# Altium PCB PCB1.PcbDoc
Units mm, origin at the board's own origin, x right, y up, seen from the top; angles counter-clockwise.
Board outline 55 x 36 mm, 2 copper layers (Top Layer, Bottom Layer), stack 1.58 mm thick; 58 components, 45 nets, 190 pads, 29 vias.
Unrouted connection lines stored in the file: 2.
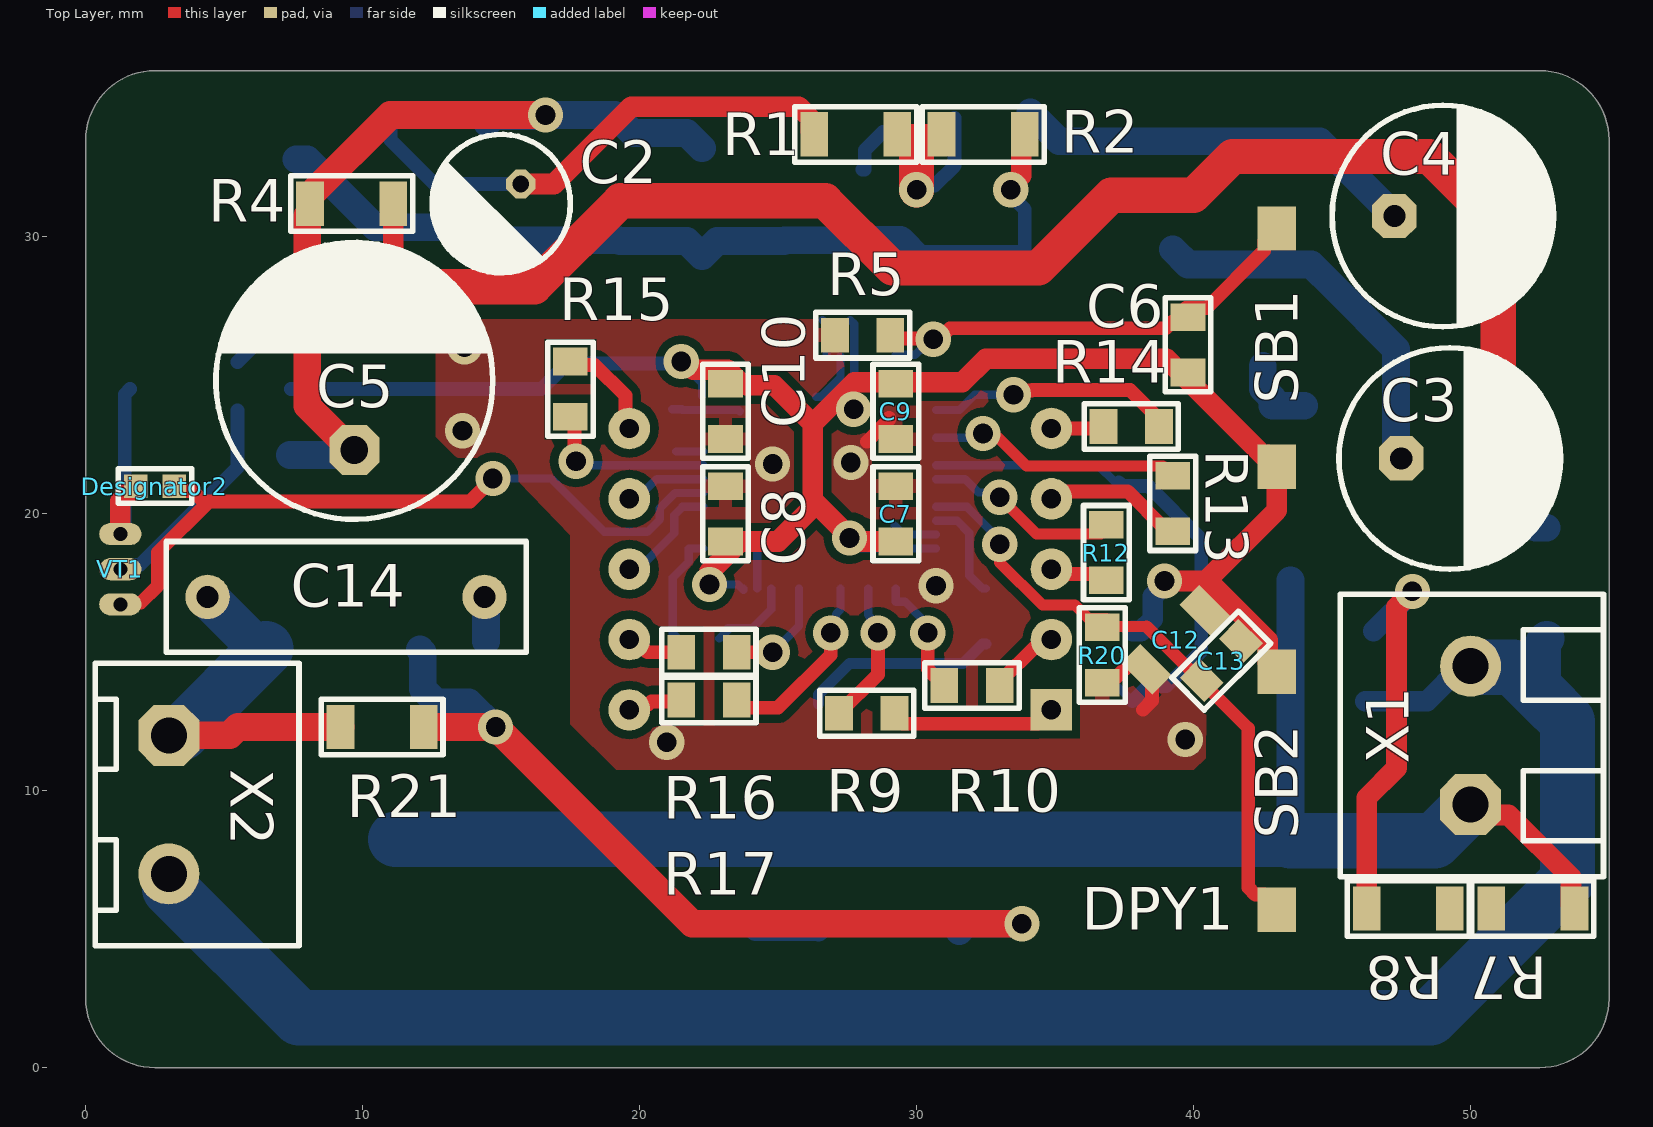
[diagram p0: Top Layer view]
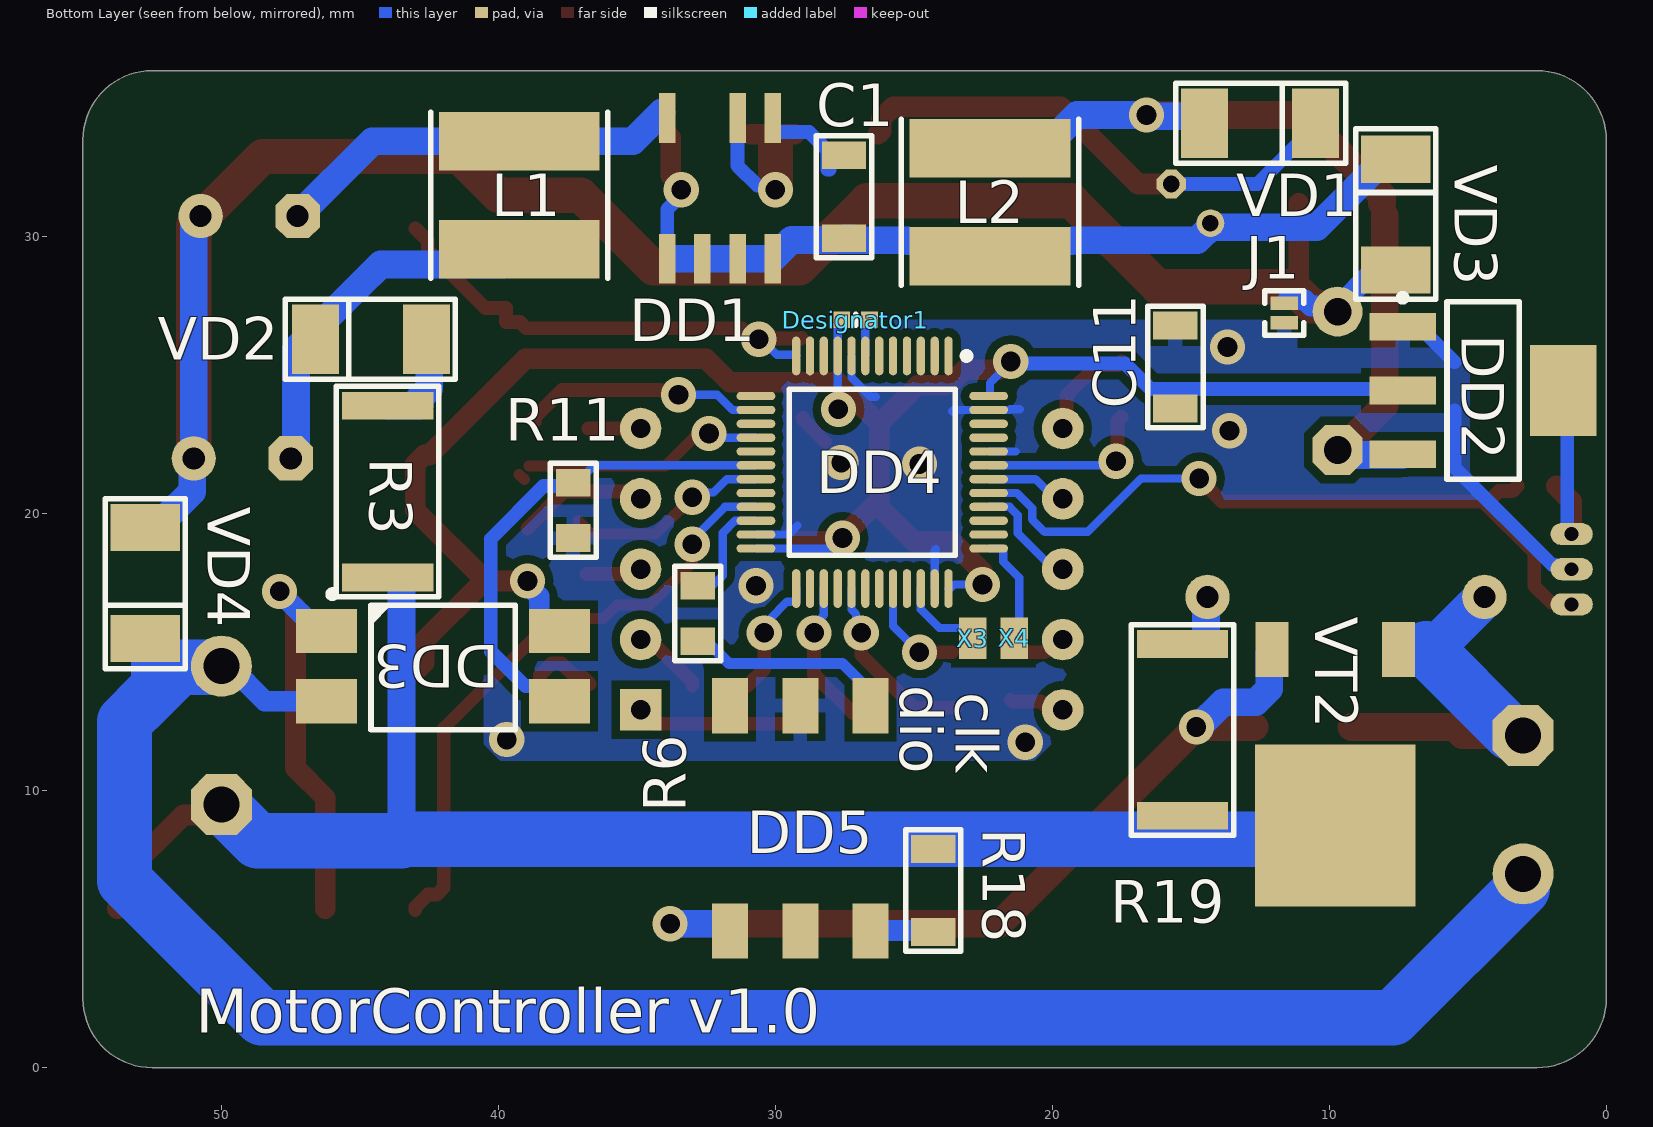
[diagram p1: Bottom Layer view, seen from below]
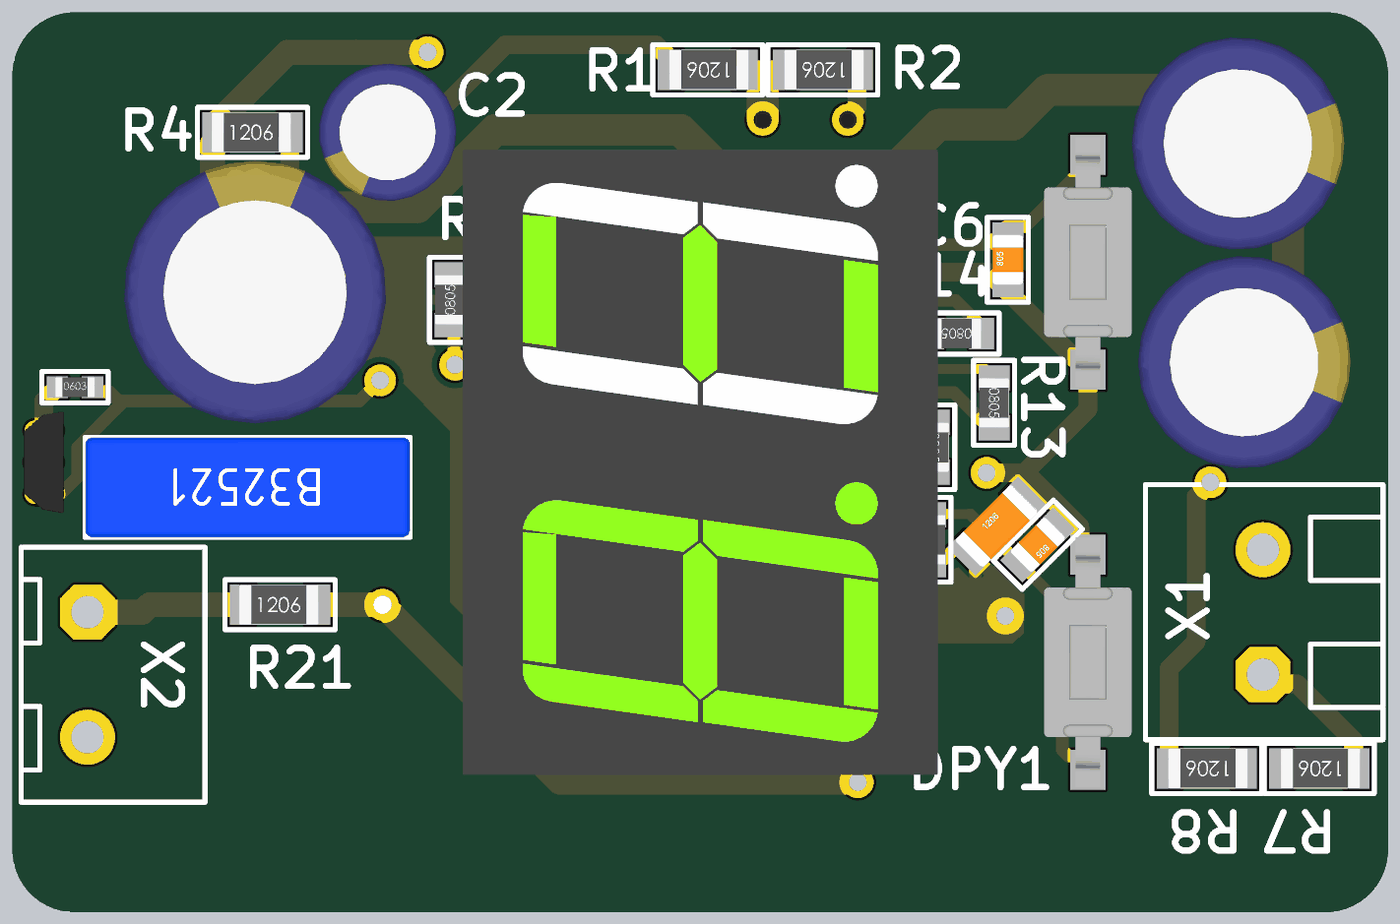
[diagram p2: 3D render of the assembled board from above, using the file's embedded part models]
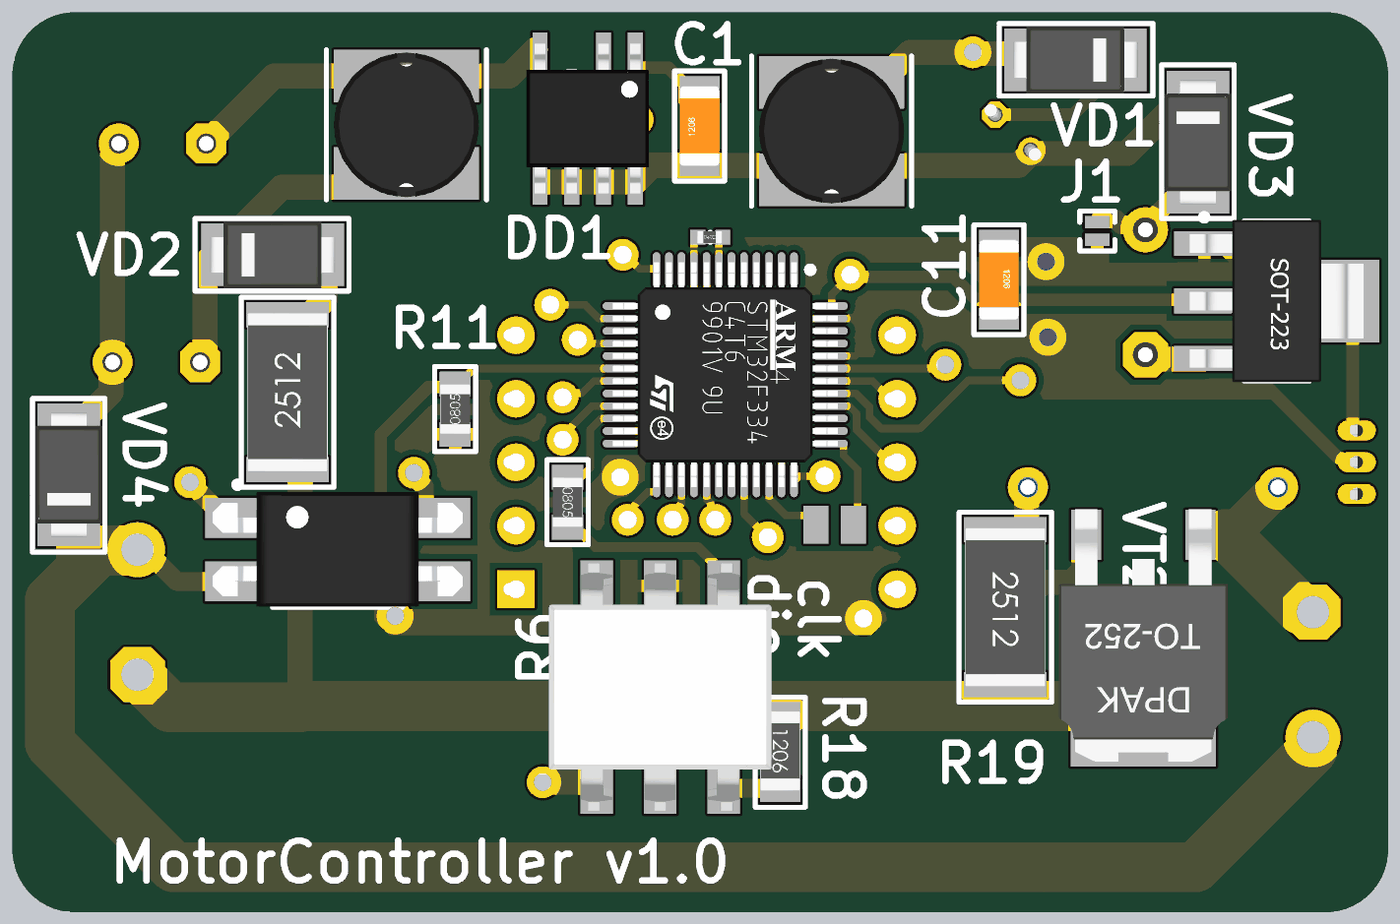
[diagram p3: 3D render of the assembled board from below, using the file's embedded part models]

## Layer stack, top to bottom
Top Solder: solder mask 0.0102, Solder Resist, Dk 3.5
Top Layer: signal copper 0.0356
Dielectric 1: dielectric 1.509, FR-4, Dk 4.8
Bottom Layer: signal copper 0.0356
Bottom Solder: solder mask 0.0102, Solder Resist, Dk 3.5

## Board outline
0,2.5 0,33.5 cw(c2.5,33.5) 2.5,36 52.5,36 cw(c52.5,33.5) 55,33.5 55,2.5 cw(c52.5,2.5) 52.5,0 2.5,0 cw(c2.5,2.5)

## Design rules (kind name [scope] priority, off if disabled: settings)
Clearance [All] p1: gap=0.2 ignorepadtopadclearanceinfootprint=FALSE except(0.3: Arc-Poly Arc-Region Track-Poly Track-Region SMDPad-Poly SMDPad-Region THPad-Poly THPad-Region Via-Poly Via-Region Fill-Poly Fill-Region Poly-Poly Poly-Region Region-Region)
PolygonConnect [All] p1: thpad.connectstyle=Relief thpad.reliefconductorwidth=0.5 thpad.reliefentries=4 thpad.polygonreliefangle="90 Angle" thpad.airgapwidth=0.254 smdpad.connectstyle=Relief smdpad.reliefconductorwidth=0.5 smdpad.reliefentries=4 smdpad.polygonreliefangle="90 Angle" smdpad.airgapwidth=0.254 via.connectstyle=Direct via.reliefconductorwidth=0.254 via.reliefentries=4 via.polygonreliefangle="90 Angle" via.airgapwidth=0.254
RoutingVias [All] p1: holewidth=0.711 width=1.27 viastyle="Through Hole" minholewidth=0.711 minwidth=1.27 maxholewidth=0.711 maxwidth=1.27
SolderMaskExpansion [All] p1: expansion=0.102 istentingtop=FALSE
UnRoutedNet [All] p1: checkbadconnections=TRUE
Width [All] p1: maxlimit=2 minlimit=0.1 preferedwidth=0.254
29 further rules are at their usual default settings.

## Classes and differential pairs
component class Sheet1: C1 C2 C3 C4 C6 C8 C10 C12 C14 DD1 DD2 DD4 DD5 DD6 DD7 J1 L1 L2 R1 R2 R4 R5 R8 R10 R13 R14 R15 R16 R22 R23 SB1 SB2 VD2 VD3 VD4 X1 X3 X4

## Components (designator, comment, footprint, x,y, rotation, side; value= is the part's Value field where it differs from the comment)
C1 "Ceramic capacitor, 100nF, X7R, ±10%, 50V, 1206, -55...+125°C" "CAP: 1206" 27.525,31.45 r90 bottom value=100nF (schematic designator C5)
C2 "Aluminium capacitor, 10μF, 25V, ±20%, 54mOhm, 14x10x5 mm, -55...+105°C" "CAP: D5C2H11" 15,31.2 r225 top value=10μF (schematic designator C7)
C3 "Aluminium capacitor, 4.7μF, 400V, ±20%, 54mOhm, 14x10x5 mm, -55...+105°C" "CAP: D8C3.5H12" 49.25,22 r0 top value=4.7μF (schematic designator C1)
C4 "Aluminium capacitor, 4.7μF, 400V, ±20%, 54mOhm, 14x10x5 mm, -55...+105°C" "CAP: D8C3.5H12" 49,30.75 r0 top value=4.7μF
C5 "Aluminium capacitor, 330μF, 25V, ±20%, 54mOhm, 14x10x5 mm, -55...+105°C" "CAP: D10C5H12.5" 9.7,24.8 r90 top value=330μF (schematic designator C9)
C6 "Ceramic capacitor, 0.1μF, X7R, ±10%, 16V, 805, -55...+125°C" "CAP: 0805" 39.8,26.1 r90 top value=0.1μF (schematic designator C2)
C7 "Ceramic capacitor, 0.1μF, X7R, ±10%, 16V, 805, -55...+125°C" "CAP: 0805" 29.25,20 r270 top value=0.1μF (schematic designator C6)
C8 "Ceramic capacitor, 0.1μF, X7R, ±10%, 16V, 805, -55...+125°C" "CAP: 0805" 23.1,20 r270 top value=0.1μF
C9 "Ceramic capacitor, 0.1μF, X7R, ±10%, 16V, 805, -55...+125°C" "CAP: 0805" 29.25,23.7 r90 top value=0.1μF (schematic designator C10)
C10 "Ceramic capacitor, 0.1μF, X7R, ±10%, 16V, 805, -55...+125°C" "CAP: 0805" 23.1,23.7 r90 top value=0.1μF (schematic designator C11)
C11 "Ceramic capacitor, 1μF, X7R, ±10%, 50V, 1206, -55...+125°C" "CAP: 1206" 15.557,25.3 r270 bottom value=1μF (schematic designator C12)
C12 "Ceramic capacitor, 1μF, X7R, ±10%, 50V, 1206, -55...+125°C" "CAP: 1206" 39.35,15.45 r45 top value=0.1μF (schematic designator C13)
C13 "Ceramic capacitor, 0.1μF, X7R, ±10%, 16V, 805, -55...+125°C" "CAP: 0805" 41,14.7 r225 top value=0.1μF (schematic designator C3)
C14 "Film capacitor, 0.1μF, 450VDC, ±10%, 10.9mOhm, 31.5x15 mm, -40...+105°C" "CAP: B32521" 9.4,17 r180 top value=0.1μF
DD1 "LNK306" SO-8C 32,31.75 r0 bottom (schematic designator DD3)
DD2 "Linear voltage regulator, input 3.9...18V, 0.6V, output 3.3V, 1.2A, -40...+85°C, SOT223" SOT223 4.45,24.45 r180 bottom (schematic designator DD5)
DD3 "IC optoisolator, 4µs/3µs, 5000Vrms, 35V, -40...+125°C, 4-SMD" 4-SMD 42,14.5 r180 bottom (schematic designator DD1)
DD4 "IC microcontroller, 32-Bit, Cortex-M3, 72MHz, 64KB, 20KB, 2...3.6V, -40...+85°C, 48-LQFP" 48-LQFP 26.5,21.5 r270 bottom
DD5 "MOC3021_2" SDIP-6 29.1,9 r0 bottom (schematic designator DD6)
Designator1 "Comment" "RES: 0402" 27.1,27 r180 bottom
Designator2 "Comment" "RES: 0603" 2.5,21 r0 top
DPY1 "7-segment 2 digit display" "0.56\"" 27.5,18 r90 top locked (schematic designator DD7)
J1 "=Valuemanufacturerpartnumber" "CON: JUMPER x1" 11.625,27.6 r270 bottom
L1 "Fixed inductor, 680μH, ±20%, 2R, 300mA, SDR0604, 1.8A, -40...+125°C" "IND: SDR0604" 39.25,31.5 r270 bottom value=1000μH
L2 "Fixed inductor, 470μH, ±20%, 2R, 300mA, SDR0604, 1.8A, -40...+125°C" "IND: SDR0604" 22.25,31.25 r270 bottom value=470μH
R1 "Resistor film, 3.84k, ±5%, 1206, 0.25W, -55...+125°C" "RES: 1206" 27.8,33.7 r180 top value=4.7k (schematic designator R9)
R2 "Resistor film, 2k, ±5%, 1206, 0.25W, -55...+125°C" "RES: 1206" 32.4,33.7 r180 top value=2k (schematic designator R8)
R3 "Resistor film, 8.2R, ±5% 2W, 2512, 1W, -55...+125°C" "RES: 2512" 44,20.8 r90 bottom value=6 (schematic designator R1)
R4 "Resistor film, 1.5k, ±5%, 1206, 0.25W, -55...+125°C" "RES: 1206" 9.6,31.2 r0 top value=1.5k (schematic designator R11)
R5 "Resistor film, 2k, ±5%, 805, 0.125W, -55...+125°C" "RES: 0805" 28.05,26.45 r180 top value=2k
R6 "Resistor film, 1k, ±5%, 805, 0.125W, -55...+125°C" "RES: 0805" 32.8,16.4 r270 bottom value=470 (schematic designator R12)
R7 "Resistor film, 5k, ±5%, 1206, 0.25W, -55...+125°C" "RES: 1206" 52.25,5.75 r180 top value=33k (schematic designator R2)
R8 "Resistor film, 5k, ±5%, 1206, 0.25W, -55...+125°C" "RES: 1206" 47.75,5.75 r180 top value=33k (schematic designator R3)
R9 "Resistor film, 2k, ±5%, 805, 0.125W, -55...+125°C" "RES: 0805" 28.2,12.8 r0 top value=2k
R10 "Resistor film, 2k, ±5%, 805, 0.125W, -55...+125°C" "RES: 0805" 32,13.8 r0 top value=10k
R11 "Resistor film, 2k, ±5%, 805, 0.125W, -55...+125°C" "RES: 0805" 37.3,20.125 r90 bottom value=2k (schematic designator R4)
R12 "Resistor film, 2k, ±5%, 805, 0.125W, -55...+125°C" "RES: 0805" 36.85,18.6 r270 top value=2k
R13 "Resistor film, 2k, ±5%, 805, 0.125W, -55...+125°C" "RES: 0805" 39.25,20.375 r270 top value=470
R14 "Resistor film, 2k, ±5%, 805, 0.125W, -55...+125°C" "RES: 0805" 37.75,23.15 r180 top value=470
R15 "Resistor film, 2k, ±5%, 805, 0.125W, -55...+125°C" "RES: 0805" 17.5,24.5 r90 top value=470
R16 "Resistor film, 2k, ±5%, 805, 0.125W, -55...+125°C" "RES: 0805" 22.5,15 r180 top value=470
R17 "Resistor film, 2k, ±5%, 805, 0.125W, -55...+125°C" "RES: 0805" 22.5,13.275 r180 top value=470 (schematic designator R20)
R18 "Resistor film, 680R, ±5%, 1206, 0.25W, -55...+125°C" "RES: 1206" 24.3,6.4 r270 bottom value=680 (schematic designator R21)
R19 "Resistor film, 62, ±5%, 2512, 1W, -55...+125°C" "RES: 2512" 15.3,12.2 r270 bottom value=39 (schematic designator R23)
R20 "Resistor film, 2k, ±5%, 805, 0.125W, -55...+125°C" "RES: 0805" 36.7,14.9 r90 top value=2k (schematic designator R6)
R21 "Resistor film, 1k, ±5%, 1206, 0.25W, -55...+125°C" "RES: 1206" 10.7,12.3 r0 top value=470 (schematic designator R22)
SB1 "Tactile button, 6x6mm" "Button_smd 6x4" 43,26 r270 top locked
SB2 "Tactile button, 6x6mm" "Button_smd 6x4" 43,10 r90 top locked
VD1 "Single diode, 75V, 150mA, 1V, 4ns, SOD-323, -55...+150°C" "DIODE: SMA" 12.5,34.1 r180 bottom (schematic designator VD4)
VD2 "Single diode, 75V, 150mA, 1V, 4ns, SOD-323, -55...+150°C" "DIODE: SMA" 44.6,26.3 r0 bottom (schematic designator VD1)
VD3 "Schottky diode, 80V, 500mA, 1V, 15pF, SOD-123, -55...+150°C" "DIODE: SMA" 7.6,30.8 r90 bottom
VD4 "Single diode, 75V, 150mA, 1V, 4ns, SOD-323, -55...+150°C" "DIODE: SMA" 52.75,17.5 r270 bottom (schematic designator VD2)
VT1 "A3144 Hall" hall 1.25,18 r270 top (schematic designator DD2)
VT2 "BTA136" TO-252 9.786,9.004 r0 bottom (schematic designator VT1)
X1 "Terminal connector, 2pin, 3.5mm, 300VAC, 10A" "CON: 0395430002 (5 mm)" 50,12 r90 top
X2 "Terminal connector, 2pin, 3.5mm, 300VAC, 10A" "CON: 0395430002 (5 mm)" 3,9.5 r270 top (schematic designator X4)
X3 "ST-link SWDio" 1-PIN#1 22.875,15.5 r270 bottom (schematic designator X2)
X4 "ST-link clk" 1-PIN#2 21.375,15.5 r180 bottom (schematic designator X3)

## Footprints (in the part's own frame and the unit in brackets; to place one, negate y for a bottom-side part, rotate by r counter-clockwise, add the part's x,y. Pads: shape width x height; smd on the part's side, far side on the other; paste and mask are expansions set on the pad)
"0.56\"" [mm] "0.56-inch (14.20 mm) 7-segment 2 digit indicator"
  rect 1.5x1.5 hole 0.7: 1(-5.08,-7.366)
  round 1.5 hole 0.7: 2(-2.54,-7.366) 3(0,-7.366) 4(2.54,-7.366) 5(5.08,-7.366) 6(5.08,7.874) 7(2.54,7.874) 8(0,7.874) 9(-2.54,7.874) 10(-5.08,7.874)
  body extent -12.5,-9.5 12.5,9.5, height 14
1-PIN#1 [mm] "Test-pin"
  rect 1.5x1 smd: 1(0,0)
1-PIN#2 [mm] "Test-pin"
  rect 1x1.5 smd: 1(0,0)
4-SMD [mm] "SOIC, 4-Leads, Body 4,60x6,50mm, Pitch 1,27mm, IPC Medium Density"
  rect 2.2x1.6 smd: 1(-4.2,1.27) 2(-4.2,-1.27) 3(4.2,-1.27) 4(4.2,1.27)
  round 0.5 on Mech2: ""(-2.1,1.7)
  silkscreen extent -4.13,-2.3 2.6,2.72, body extent -5,-2.28 5,2.3, height 3.75
48-LQFP [mm] "QFP, 48-Leads, Body 7x7mm, Pitch 0.5mm, IPC Medium Density"
  oval 1.4x0.3 smd: 1(-4.2,2.75) 2(-4.2,2.25) 3(-4.2,1.75) 4(-4.2,1.25) 5(-4.2,0.75) 6(-4.2,0.25) 7(-4.2,-0.25) 8(-4.2,-0.75) 9(-4.2,-1.25) 10(-4.2,-1.75) 11(-4.2,-2.25) 12(-4.2,-2.75) 25(4.2,-2.75) 26(4.2,-2.25) 27(4.2,-1.75) 28(4.2,-1.25) 29(4.2,-0.75) 30(4.2,-0.25) 31(4.2,0.25) 32(4.2,0.75) 33(4.2,1.25) 34(4.2,1.75) 35(4.2,2.25) 36(4.2,2.75)
  oval 0.3x1.4 smd: 13(-2.75,-4.2) 14(-2.25,-4.2) 15(-1.75,-4.2) 16(-1.25,-4.2) 17(-0.75,-4.2) 18(-0.25,-4.2) 19(0.25,-4.2) 20(0.75,-4.2) 21(1.25,-4.2) 22(1.75,-4.2) 23(2.25,-4.2) 24(2.75,-4.2) 37(2.75,4.2) 38(2.25,4.2) 39(1.75,4.2) 40(1.25,4.2) 41(0.75,4.2) 42(0.25,4.2) 43(-0.25,4.2) 44(-0.75,4.2) 45(-1.25,4.2) 46(-1.75,4.2) 47(-2.25,4.2) 48(-2.75,4.2)
  round 0.5 on Mech2: ""(-4,4)
  silkscreen extent -4.32,-3 3,3.52, body extent -4.5,-4.5 4.5,4.5, height 1.6
"Button_smd 6x4" [mm] "2-pin, 6x4"
  rect 1.6x1.4 smd: 1(-4.3,0) 2(4.3,0)
  body extent -5,-1.75 5,1.75, height 5
"CAP: 0805" [mm]
  rect 1x1.25 smd: 1(-1,0) 2(1,0)
  silkscreen extent -1.7,-0.82 1.7,0.82, body extent -1,-0.62 1,0.63, height 0.78
"CAP: 1206" [mm]
  rect 1x1.6 smd: 1(-1.5,0) 2(1.5,0)
  silkscreen extent -2.2,-1 2.2,1, body extent -1.6,-0.8 1.6,0.8, height 1
"CAP: B32521" [mm]
  round 1.6 hole 0.8: 1(-5,0) 2(5,0)
  silkscreen extent -6.5,-2 6.5,2, body extent -6.5,-2 6.5,2, height 9
"CAP: D5C2H11" [mm]
  oct 1x1 hole 0.6: 1(-1,0)
  round 1 hole 0.6: 2(1,0)
  silkscreen extent -2.5,-2.5 2.5,2.5, body extent -2.75,-2.75 2.75,2.75, height 13.5
"CAP: D8C3.5H12" [mm]
  oct 1.6x1.6 hole 0.8: 1(-1.75,0)
  round 1.6 hole 0.8: 2(1.75,0)
  silkscreen extent -4,-4 4,4, body extent -4.25,-4.25 4.25,4.25, height 13
"CAP: D10C5H12.5" [mm]
  oct 1.8x1.8 hole 1: 1(-2.5,0)
  round 1.8 hole 1: 2(2.5,0)
  silkscreen extent -5,-5 5,5, body extent -5.25,-5.25 5.25,5.25, height 14.05
"CON: 0395430002 (5 mm)" [mm] "2 pin 5.08mm screw connector"
  oct 2.2x2.2 hole 1.3: 1(-2.5,0)
  round 2.2 hole 1.3: 2(2.5,0)
  silkscreen extent -5.1,-4.8 5.1,4.7, body extent -5,-4.8 5,4.6, height 14.63
"CON: JUMPER x1" [mm]
  rect 0.5x1 smd: 1(0,0) 2(0.7,0)
  silkscreen extent -0.45,-0.7 1.15,0.7
"DIODE: SMA" [mm]
  rect 1.7x2.5 smd: 1(-2,0) 2(2,0)
  round 0.5 on Mech2: ""(2,0.9)
  silkscreen extent -3.05,-1.45 3.1,1.45, body extent -2.5,-1.35 2.5,1.35, height 2.28
hall [mm]
  oval 0.8x1.524 hole 0.5: 1(-1.27,0) 2(0,0) 3(1.27,0)
  body extent -2.04,-0.8 2.04,0.8, height 14.1
"IND: SDR0604" [mm]
  rect 2.1x5.8 smd: 1(-1.95,0) 2(1.95,0)
  silkscreen extent -3,-3.2 3,3.2, body extent -2.9,-2.9 2.9,2.9, height 4.8
"RES: 0402" [mm]
  rect 0.6x0.6 smd: 1(-0.5,0) 2(0.5,0)
  silkscreen extent 0,-0.2 0,0.2, body extent -0.52,-0.25 0.48,0.25, height 0.34
"RES: 0603" [mm]
  rect 0.85x0.85 smd: 1(-0.7,0) 2(0.7,0)
  silkscreen extent -1.33,-0.63 1.33,0.63, body extent -0.8,-0.4 0.8,0.4, height 0.44
"RES: 0805" [mm]
  rect 1x1.25 smd: 1(-1,0) 2(1,0)
  silkscreen extent -1.7,-0.82 1.7,0.82, body extent -1,-0.6 1,0.6, height 0.44
"RES: 1206" [mm]
  rect 1x1.6 smd: 1(-1.5,0) 2(1.5,0)
  silkscreen extent -2.2,-1 2.2,1, body extent -1.65,-0.8 1.55,0.8, height 0.47
"RES: 2512" [mm]
  rect 1x3.3 smd: 1(-3.1,0) 2(3.1,0)
  silkscreen extent -3.8,-1.85 3.8,1.85, body extent -3.17,-1.6 3.18,1.6, height 0.52
SDIP-6 [mm] "DIP-6 SMD"
  rect 1.3x2 smd: 1(-2.54,-4.064) 2(0,-4.064) 3(2.54,-4.064) 4(2.54,4.064) 5(0,4.064) 6(-2.54,4.064)
  body extent -4.44,-4.95 4.45,4.95, height 5.93
SO-8C [mm]
  rect 0.6x1.8 smd: 1(-1.905,-2.54) 2(-0.635,-2.54) 4(1.905,-2.54) 5(1.905,2.54) 6(0.635,2.54) 7(-0.635,2.54) 8(-1.905,2.54)
  body extent -2.45,-3 2.45,3, height 1.75
SOT223 [mm] "SOT223, 4-Leads, Body 6,50x7,00mm (avg), Pitch 2,30mm, IPC Medium Density"
  rect 2.4x1 smd: 1(-2.9,2.3) 2(-2.9,0) 3(-2.9,-2.3)
  rect 2.4x3.3 smd: 4(2.9,0)
  round 0.5 on Mech2: ""(-3,2.7)
  silkscreen extent -3.03,-3.2 1.3,3.47, body extent -3.48,-3.25 3.48,3.25, height 1.65
TO-252 [mm]
  rect 1.2x2 smd: 1(-2.286,-6.096) 3(2.286,-6.096)
  rect 5.8x5.85 smd: 2(0,0.254)
  body extent -3.37,-7.11 3.37,2.99, height 2.37

## Part data
C1 C11: library part Ceramic_1206, Manufacturer=Yageo, Package=1206, PartNumber=CC1206KRX7R9BB104, Temperature=-55...+125°C, Tolerance=±10%, TypeCapacitor="Ceramic capacitor", TypeDielectric=X7R, Voltage=50V, HelpURL=https://www.digikey.com/product-detail/en/yageo/CC1206KRX7R9BB104/311-1179-1-ND/303089
  C1: ValueManufacturerPartNumber="Ceramic capacitor, 100nF, X7R, ±10%, 50V, 1206, -55...+125°C"
  C11: ValueManufacturerPartNumber="Ceramic capacitor, 1μF, X7R, ±10%, 50V, 1206, -55...+125°C"
C2 C5: library part Aluminium, Manufacturer=Wurth, Package="14x10x5 mm", PartNumber=860080475013, Temperature=-55...+105°C, Tolerance=±20%, TypeCapacitor="Aluminium capacitor", Voltage=25V, HelpURL=https://www.digikey.com/product-detail/en/wurth-electronics-inc/860080475013/732-9029-1-ND/5728972, Impedance=54mOhm
  C2: ValueManufacturerPartNumber="Aluminium capacitor, 10μF, 25V, ±20%, 54mOhm, 14x10x5 mm, -55...+105°C"
  C5: ValueManufacturerPartNumber="Aluminium capacitor, 330μF, 25V, ±20%, 54mOhm, 14x10x5 mm, -55...+105°C"
C3 C4: library part Aluminium, Manufacturer=Wurth, Package="14x10x5 mm", PartNumber=860080475013, Temperature=-55...+105°C, Tolerance=±20%, TypeCapacitor="Aluminium capacitor", Voltage=400V, HelpURL=https://www.digikey.com/product-detail/en/wurth-electronics-inc/860080475013/732-9029-1-ND/5728972, Impedance=54mOhm, ValueManufacturerPartNumber="Aluminium capacitor, 4.7μF, 400V, ±20%, 54mOhm, 14x10x5 mm, -55...+105°C"
C6 C7 C8 C9 C10 C13: library part Ceramic_0805, Manufacturer=Yageo, Package=0805, PartNumber=CC0805KRX7R7BB104, Temperature=-55...+125°C, Tolerance=±10%, TypeCapacitor="Ceramic capacitor", TypeDielectric=X7R, Voltage=16V, HelpURL=https://www.digikey.com/product-detail/en/yageo/CC0805KRX7R7BB104/311-1142-1-ND/303052, ValueManufacturerPartNumber="Ceramic capacitor, 0.1μF, X7R, ±10%, 16V, 805, -55...+125°C"
C12: library part Ceramic_1206, Manufacturer=Yageo, Package=1206, PartNumber=CC1206KRX7R9BB104, Temperature=-55...+125°C, Tolerance=±10%, TypeCapacitor="Ceramic capacitor", TypeDielectric=X7R, ValueManufacturerPartNumber="Ceramic capacitor, 0.1μF, X7R, ±10%, 50V, 1206, -55...+125°C", Voltage=50V, HelpURL=https://www.digikey.com/product-detail/en/yageo/CC1206KRX7R9BB104/311-1179-1-ND/303089
C14: library part Film, Manufacturer=Epcos, Package="31.5x15 mm", PartNumber=B32774D4106K000, Temperature=-40...+105°C, Tolerance=±10%, TypeCapacitor="Film capacitor", ValueManufacturerPartNumber="Film capacitor, 0.1μF, 400V, ±10%, 10.9mOhm, 31.5x15 mm, -40...+105°C", Voltage=400V, HelpURL=https://www.digikey.com/products/en/capacitors/film-capacitors/62?k=&pkeyword=&sv=0&pv2097=1958&sf=0&FV=fffc01ef%2C1f140000%2Cffe0003e%2Cffec6366&quantity=1&ColumnSort=1000011&page=1&stock=1&pageSize=25, Impedance=10.9mOhm
DD2: library part LDL1117S33R, "Linear voltage regulator", CurrentOutput=1.2A, Manufacturer=STMicroelectronics, Package=SOT223, PartNumber=AMS1117S33R, Temperature=-40...+85°C, VoltageInput="input 3.9...18V", VoltageOutput="output 3.3V", ComponentType="Linear voltage regulator", HelpURL=https://www.digikey.com/product-detail/en/stmicroelectronics/LDL1117S33R/497-17239-1-ND/7102079, MaxDropout=0.6V, ValueManufacturerPartNumber="Linear voltage regulator, input 3.9...18V, 0.6V, output 3.3V, 1.2A, -40...+85°C, SOT223"
DD3: library part LTV-817, "Optoisolator", Manufacturer=Lite-On, Package=4-SMD, PartNumber=LTV-817S, Temperature=-40...+125°C, ComponentType="IC optoisolator", DataRate=4µs/3µs, HelpURL=https://www.digikey.com/product-detail/en/lite-on-inc/LTV-817S/160-1367-5-ND/385837, Isolation=5000Vrms, Supply=35V, ValueManufacturerPartNumber="IC optoisolator, 4µs/3µs, 5000Vrms, 35V, -40...+125°C, 4-SMD"
DD4: library part STM32F103C8T6, "Cortex-M3", Manufacturer=STMicroelectronics, Package=48-LQFP, PartNumber=STM32F303CB, Temperature=-40...+85°C, ComponentType="IC microcontroller", CoreProcessor=Cortex-M3, CoreSize=32-Bit, HelpURL=https://www.digikey.com/product-detail/en/stmicroelectronics/STM32F103C8T6TR/497-17666-1-ND/7804402, MemoryRAM=20KB, MemoryROM=64KB, Speed=72MHz, Supply=2...3.6V, ValueManufacturerPartNumber="IC microcontroller, 32-Bit, Cortex-M3, 72MHz, 64KB, 20KB, 2...3.6V, -40...+85°C, 48-LQFP"
J1: library part Jumper_single, CommentText="\"Перемычка\""
L1: library part Inductor_SDR0604, Manufacturer=Bourns, MaxCurrent=1.8A, Package=SDR0604, PartNumber=SDR0604-4R7ML, Temperature=-40...+125°C, Tolerance=±20%, TypeInductor="Fixed inductor", ValueManufacturerPartNumber="Fixed inductor, 1000μH, ±20%, SDR0604, 1.8A, -40...+125°C", HelpURL=https://www.digikey.com/product-detail/en/bourns-inc/SDR0604-4R7ML/SDR0604-4R7MLCT-ND/2352942
L2: library part Inductor_SDR0604, Manufacturer=Bourns, MaxCurrent=1.8A, Package=SDR0604, PartNumber=SDR0604-4R7ML, Temperature=-40...+125°C, Tolerance=±20%, TypeInductor="Fixed inductor", ValueManufacturerPartNumber="Fixed inductor, 470μH, ±20%, SDR0604, 1.8A, -40...+125°C", HelpURL=https://www.digikey.com/product-detail/en/bourns-inc/SDR0604-4R7ML/SDR0604-4R7MLCT-ND/2352942
R1: library part Resistor_1206, Manufacturer=Yageo, Package=1206, PartNumber=RC1206JR-07100RL, Power=0.25W, Temperature=-55...+125°C, Tolerance=±1%, TypeResistor="Resistor film", ValueManufacturerPartNumber="Resistor film, 4.7k, ±1%, 1206, 0.25W, -55...+125°C", HelpURL=https://www.digikey.com/product-detail/en/yageo/RC1206JR-07100RL/311-100ERCT-ND/732153
R2: library part Resistor_1206, Manufacturer=Yageo, Package=1206, PartNumber=RC1206JR-07100RL, Power=0.25W, Temperature=-55...+125°C, Tolerance=±1%, TypeResistor="Resistor film", ValueManufacturerPartNumber="Resistor film, 2k, ±1%, 1206, 0.25W, -55...+125°C", HelpURL=https://www.digikey.com/product-detail/en/yageo/RC1206JR-07100RL/311-100ERCT-ND/732153
R3: library part Resistor_2512, Manufacturer=Yageo, Package=2512, PartNumber=RC2512JK-07100RL, Power=1W, Temperature=-55...+125°C, Tolerance="±5% 1W", TypeResistor="Resistor film", ValueManufacturerPartNumber="Resistor film, 6, ±5% 1W, 2512, 1W, -55...+125°C", HelpURL=https://www.digikey.com/product-detail/en/yageo/RC2512JK-07100RL/YAG3393CT-ND/5962215
R4: library part Resistor_1206, Manufacturer=Yageo, Package=1206, PartNumber=RC1206JR-07100RL, Power=0.25W, Temperature=-55...+125°C, Tolerance=±5%, TypeResistor="Resistor film", HelpURL=https://www.digikey.com/product-detail/en/yageo/RC1206JR-07100RL/311-100ERCT-ND/732153, ValueManufacturerPartNumber="Resistor film, 1.5k, ±5%, 1206, 0.25W, -55...+125°C"
R5 R9 R11 R12 R20: library part Resistor_0805, Manufacturer=Yageo, Package=0805, PartNumber=RC0805JR-07100RL, Power=0.125W, Temperature=-55...+125°C, Tolerance=±5%, TypeResistor="Resistor film", HelpURL=https://www.digikey.com/product-detail/en/yageo/RC0805JR-07100RL/311-100ARCT-ND/731185, ValueManufacturerPartNumber="Resistor film, 2k, ±5%, 805, 0.125W, -55...+125°C"
R6 R13 R14 R15 R16 R17: library part Resistor_0805, Manufacturer=Yageo, Package=0805, PartNumber=RC0805JR-07100RL, Power=0.125W, Temperature=-55...+125°C, Tolerance=±5%, TypeResistor="Resistor film", ValueManufacturerPartNumber="Resistor film, 470, ±5%, 805, 0.125W, -55...+125°C", HelpURL=https://www.digikey.com/product-detail/en/yageo/RC0805JR-07100RL/311-100ARCT-ND/731185
R7 R8: library part Resistor_1206, Manufacturer=Yageo, Package=1206, PartNumber=RC1206JR-07100RL, Power=0.25W, Temperature=-55...+125°C, Tolerance=±5%, TypeResistor="Resistor film", ValueManufacturerPartNumber="Resistor film, 33k, ±5%, 1206, 0.25W, -55...+125°C", HelpURL=https://www.digikey.com/product-detail/en/yageo/RC1206JR-07100RL/311-100ERCT-ND/732153
R10: library part Resistor_0402, Manufacturer=Yageo, Package=0402, PartNumber=RC0402JR-07100RL, Power=0.063W, Temperature=-55...+125°C, Tolerance=±5%, TypeResistor="Resistor film", ValueManufacturerPartNumber="Resistor film, 10k, ±5%, 402, 0.063W, -55...+125°C", HelpURL=https://www.digikey.com/product-detail/en/yageo/RC0402JR-07100RL/311-100JRCT-ND/729362
R18: library part Resistor_1206, Manufacturer=Yageo, Package=1206, PartNumber=RC1206JR-07100RL, Power=0.25W, Temperature=-55...+125°C, Tolerance=±5%, TypeResistor="Resistor film", ValueManufacturerPartNumber="Resistor film, 680, ±5%, 1206, 0.25W, -55...+125°C", HelpURL=https://www.digikey.com/product-detail/en/yageo/RC1206JR-07100RL/311-100ERCT-ND/732153
R19: library part Resistor_2512, Manufacturer=Yageo, Package=2512, PartNumber=RC2512JK-07100RL, Power=1W, Temperature=-55...+125°C, Tolerance="±5% 1W", TypeResistor="Resistor film", ValueManufacturerPartNumber="Resistor film, 39, ±5% 1W, 2512, 1W, -55...+125°C", HelpURL=https://www.digikey.com/product-detail/en/yageo/RC2512JK-07100RL/YAG3393CT-ND/5962215
R21: library part Resistor_1206, Manufacturer=Yageo, Package=1206, PartNumber=RC1206JR-07100RL, Power=0.25W, Temperature=-55...+125°C, Tolerance=±5%, TypeResistor="Resistor film", ValueManufacturerPartNumber="Resistor film, 470, ±5%, 1206, 0.25W, -55...+125°C", HelpURL=https://www.digikey.com/product-detail/en/yageo/RC1206JR-07100RL/311-100ERCT-ND/732153
SB1 SB2: library part Button_tactile, Manufacturer="TE Connectivity", Package=6x6mm, PartNumber=FSM2JSMAATR, CommentText="\"Кнопка\"", HelpURL=https://www.digikey.com/product-detail/en/te-connectivity-alcoswitch-switches/FSM2JSMAATR/450-1792-1-ND/3503931, TypeButton="Tactile button", ValueManufacturerPartNumber="Tactile button, 6x6mm"
VD1: library part Diode_single, Current=150mA, Manufacturer="Micro Commercial", Package=SOD-323, PartNumber=UF4007, Temperature=-55...+150°C, Voltage=75V, VoltageDrop=1V, HelpURL=https://www.digikey.com/product-detail/en/micro-commercial-co/1N4148WX-TP/1N4148WXTPMSCT-ND/717312, RecoveryTime=4ns, TypeDiode="Single diode", ValueManufacturerPartNumber="Single diode, 75V, 150mA, 1V, 4ns, SOD-323, -55...+150°C"
VD2 VD4: library part Diode_single, Current=150mA, Manufacturer="Micro Commercial", Package=SOD-323, PartNumber=1N4007, Temperature=-55...+150°C, Voltage=75V, VoltageDrop=1V, HelpURL=https://www.digikey.com/product-detail/en/micro-commercial-co/1N4148WX-TP/1N4148WXTPMSCT-ND/717312, RecoveryTime=4ns, TypeDiode="Single diode", ValueManufacturerPartNumber="Single diode, 75V, 150mA, 1V, 4ns, SOD-323, -55...+150°C"
VD3: library part Diode_single, Current=150mA, Manufacturer="Micro Commercial", Package=SOD-323, PartNumber=UF4007, Temperature=-55...+150°C, ValueManufacturerPartNumber="Single diode, 75V, 150mA, 1V, 4ns, SOD-323, -55...+150°C", Voltage=75V, VoltageDrop=1V, HelpURL=https://www.digikey.com/product-detail/en/micro-commercial-co/1N4148WX-TP/1N4148WXTPMSCT-ND/717312, RecoveryTime=4ns, TypeDiode="Single diode"
VT1: "Digital Hall sensor"
VT2: "Triac"
X1 X2: library part Connector_terminal_2pin, CurrentMax=10A, Manufacturer=Degson, PartNumber=DG350-3.5-02P-14, VoltageMax=300VAC, HelpURL=https://www.chipdip.ru/product/dg350-3.5-02p-12, Multichannel=2pin, Pitch=3.5mm, TypeConnector="Terminal connector", ValueManufacturerPartNumber="Terminal connector, 2pin, 3.5mm, 300VAC, 10A"
  X1: CommentText="~220 V, 50 Hz"
  X2: CommentText=Электродвигатель
X3 X4: library part 1-PIN

## Via types
v1: diameter 1.27, hole 0.711, Top Layer to Bottom Layer, 29 vias

## Nets (pads, with @x,y where several pads share a name; then routed paths per layer and width w, separated by ;. In a path a pad name is that pad's centre, name@x,y a point inside that pad or via, vN(x,y) a via of type N, cw(c..) or ccw(c..) an arc to the next point about the centre after c; other vN are vias at no path point)
A: DD4.29 R17.1 | length 6.7
  Top Layer w0.5: R17.1@23.5,13 25,13 26.9,14.9 v1(26.9,15.7)
  Bottom Layer w0.3: v1(26.9,15.7) 27.086,15.886 27.086,16.378 27.25,16.543 27.25,16.75 DD4.29
B: DD4.32 R16.1 | length 3.9
  Top Layer w0.5: R16.1@23.625,15 v1(24.8,15)
  Bottom Layer w0.3: v1(24.8,15) 25.75,15.95 DD4.32
BP1: DD4.40 DPY1.8 | length 4
  Bottom Layer w0.3: DPY1.8 DPY1.8@19.8,18 ; DPY1.8@19.7,18.275 20.225,18.275 21.25,19.3 21.25,19.625 21.25,19.957 21.543,20.25 21.75,20.25 DD4.40
BP2: DD4.42 DPY1.7 | length 3
  Bottom Layer w0.3: DPY1.7 19.903,20.54 20.613,21.25 DD4.42
But1: C6.2 DD4.12 R5.1 SB1.1 | length 17.7
  Top Layer w0.5: R5.1@29.05,26.35 29.075,26.325 30.833,26.325 31.208,26.7 39,26.7 39.225,26.925 39.725,26.925 39.725,27.425 40.475,27.425 42.55,29.5 42.55,29.85 SB1.1
  Bottom Layer w0.3: DD4.12 29.25,25.741 29.939,25.741 30.498,26.3 v1(30.6,26.3)
But2: C13.2 DD4.21 R20.2 SB2.1 | length 21.9
  Top Layer w0.4: v1(33,18.9) 33,18.24 34.54,16.7 35.725,16.7 36.2,16.225 R20.2@36.875,16.225 ; R20.2@37.05,15.925 38.3,15.925
  Top Layer w0.45: 38.3,15.925 40.262,13.962 41.975,12.25
  Top Layer w0.5: 41.975,12.25 41.975,6.5 42.225,6.25 42.55,6.25 43,5.8 SB2.1
  Bottom Layer w0.3: DD4.21 31.825,20.25 33,19.075 v1(33,18.9)
C: DD4.27 R9.1 | length 5.3
  Top Layer w0.5: R9.1 28.6,14.2 28.6,15.738 v1(28.6,15.7)
  Bottom Layer w0.3: DD4.27 28.25,16.35 28.553,16.047 28.6,16 v1(28.6,15.7)
D: DD4.16 R13.1 | length 9
  Top Layer w0.4: v1(32.4,22.9) 32.8,22.9 33.975,21.725 R13.1@38.9,21.725 ; R13.1@39.057,21.232 R13.1@39.25,21.425
  Bottom Layer w0.3: DD4.16 32.25,22.75 v1(32.4,22.9)
DP: DD4.25 R10.1 | length 4.4
  Top Layer w0.5: v1(30.4,15.7) 30.4,14.4 R10.1
  Bottom Layer w0.3: DD4.25 29.25,16.826 29.574,16.826 30.214,16.186 30.214,15.886 v1(30.4,15.7)
E: DD4.19 R12.1 | length 7.4
  Top Layer w0.4: v1(33,20.6) 34.325,19.275 36.65,19.275 R12.1@37.125,19.75
  Bottom Layer w0.3: DD4.19 31.75,21.25 32.233,20.767 32.833,20.767 v1(33,20.6)
F: DD4.43 R15.1 | length 6.4
  Top Layer w0.5: R15.1 17.525,23.5 17.651,23.375 17.651,21.949 v1(17.7,21.9)
  Bottom Layer w0.3: v1(17.7,21.9) 17.85,21.75 DD4.43
G: DD4.14 R14.1 | length 8.9
  Top Layer w0.5: v1(33.5,24.3) 33.647,24.447 34.15,24.447 34.178,24.475 37.7,24.475 38.7,23.475 R14.1@38.7,23.325
  Bottom Layer w0.3: DD4.14 31.55,23.75 32.1,24.3 v1(33.5,24.3)
GND: C7.1 C8.1 C9.1 C10.1 C11.1 C12.1 DD2.1 DD4.8 DD4.23 DD4.35 DD4.44 DD4.47 DD5.2 J1.2 R5.2 R11.1 R20.1 VT1.2 | length 23.1
  Top Layer w0.5: 28.2,22.6 29,23.4 29,23.454 ; R20.1@36.7,13.85 36.95,14.1 37.222,14.1 37.724,14.601 38.077,14.601 C12.1 38.501,14.177 38.501,13.251 38.175,12.925
  Bottom Layer w0.3: 21.175,23.775 21.518,23.775 21.543,23.75 23.575,23.75 23.625,23.7 ; 21.319,22.25 DD4.44 ; 24.2,18.725 24.25,18.675 DD4.35 ; 26.375,24.225 26.55,24.225 27.25,24.925 DD4.8 ; 29.2,19.575 29.525,19.25 DD4.23
  Bottom Layer w0.5: VT1.2 1.693,18 1.843,18.15 1.95,18.15 5.475,21.675 5.475,23.725 ; 5.475,25.475 6.45,26.45 6.45,26.55 6.695,26.795 DD2.1@6.795,26.795
  other v1: 20.975,11.75 39.7,11.85 30.7,17.4 24.8,21.8 27.625,21.85 13.6,23 13.675,26.025
GND_E: C3.2 C4.2 C5.2 J1.1 R4.2 VD3.1 VD4.1 | length 74.4
  Top Layer w0.75: R4.2 11.1,28.443 11.343,28.2
  Top Layer w1.27: C5.2@10.5,27.5 10.643,27.5 11.343,28.2 16.2,28.2 19.3,31.3 26.7,31.3 29.125,28.875 34.4,28.875 37.025,31.5 40,31.5 41.4,32.9 48.511,32.9 50.661,30.75 C4.2 50.75,30.661 51,30.411 C3.2
  Bottom Layer w0.75: VD3.1 7.625,28.825 8.35,28.825 C5.2@9.787,27.388 ; C5.2 C5.2@9.787,27.388 ; J1.1@11.5,27.725 10.887,27.725 10.663,27.501 9.901,27.501 C5.2@9.787,27.388
  Bottom Layer w1: C4.2 50.75,30.588 51,30.338 C3.2 51.059,21.941 51.059,20.806 52,19.864 52,19.85 52.35,19.5 VD4.1
Hall: DD4.41 Designator2.2 VT1.3 | length 26.7
  Top Layer w0.5: VT1.3 1.307,16.787 1.987,16.787 2.6,17.4 2.6,18.6 4.45,20.45 ; Designator2.2 3.375,20.825 3.875,20.825 4.25,20.45 13.875,20.45 v1(14.7,21.275)
  Bottom Layer w0.3: v1(14.7,21.275) 16.8,21.275 18.725,19.35 20.275,19.35 20.726,19.801 20.726,20.201 21.25,20.725 ; 21.275,20.75 DD4.41
L: R3.1 R7.1 R18.1 R19.2 VT2.2 X1.1 | length 54.6
  Top Layer w0.75: X1.1 50.37,9.13 51.37,9.13 53.625,6.875 53.625,5.875 R7.1
  Bottom Layer w1: 43.5,8.2 R3.1@43.5,17.6
  Bottom Layer w2: VT2.2@11.2,8.25 15.6,8.25 24.3,8.25 43.45,8.25 43.5,8.2 48.7,8.2 X1.1
Motor: DD4.22 R6.1 | length 3.7
  Bottom Layer w0.3: DD4.22 31.457,19.75 31.9,19.307 31.9,17.775 32.375,17.3 R6.1@32.5,17.3
N: DD3.2 VD4.2 X1.2 X2.2 | length 71.6
  Bottom Layer w0.75: DD3.2 48.425,13.23 49.695,14.5 X1.2
  Bottom Layer w1.27: 52.625,13.375 52.625,15.375 VD4.2
  Bottom Layer w2: X2.2@3.038,7 3.038,6.462 7.7,1.8 48.55,1.8 53.5,6.75 53.5,12.5 52.625,13.375 51.538,14.462 50.038,14.462 X1.2
NetC1_2: C1.2 DD1.1 | length 2.8
  Bottom Layer w0.5: 28.04,32.425 28.125,32.425 28.125,33.125 28.79,33.79 DD1.1@29.9,33.79
NetC2_1: C2.1 R1.2 VD1.2 | length 18.2
  Top Layer w0.75: C2.1 16.907,31.907 19.7,34.7 25.736,34.7 26.175,34.261 26.175,33.825 R1.2
  Bottom Layer w0.5: VD1.2@11,33.9 11,33.5 12.593,31.907 C2.1
NetC3_1: C3.1 L1.2 VD2.2 | length 13.6
  Bottom Layer w1: L1.2 39.8,29 44.25,29 45.075,28.175 47.307,25.943 47.307,22.193 C3.1
NetC4_1: C4.1 DD1.4 L1.1 | length 14.7
  Bottom Layer w1: DD1.4@34.1,34.5 35.15,33.45 L1.1 44.55,33.45 C4.1
NetC5_1: C5.1 DD2.3 L2.1 R4.1 VD1.1 | length 30.3
  Top Layer w1: R4.1@8,30.75 8,23.9 C5.1@9.891,22.009 ; R4.1 8.1,31.5 11,34.4 v1(16.6,34.4)
  Bottom Layer w1: DD2.3@7.375,22.125 9.525,22.125 C5.1 ; VD1.1 14.748,34.348 16.548,34.348 v1(16.6,34.4) 19.1,34.4 19.75,33.75 21.7,33.75 L2.1
NetC14_1: C14.1 R19.1 | length 1.6
  Bottom Layer w1: C14.1 14.45,16.95 R19.1@14.45,15.4
NetC14_2: C14.2 R21.1 VT2.1 X2.1 | length 13.9
  Top Layer w1: X2.1 5.2,12 5.5,12.3 R21.1
  Bottom Layer w1.5: C14.2 4.4,16.973 6.373,15
  Bottom Layer w2: X2.1 3.1,12.1 3.473,12.1 6.5,15.127
NetDD1_2: DD1.2 R1.1 R2.2 | length 6
  Top Layer w0.75: R1.1 R2.2
  Top Layer w1.27: v1(30,31.7) 30,33.4
  Bottom Layer w0.5: 30.647,31.847 31.365,32.565 DD1.2
NetDD3_1: DD3.1 R8.2 | length 14.1
  Top Layer w0.75: R8.2 46.25,9.75 47.325,10.825 47.325,16.625 v1(47.9,17.2)
  Bottom Layer w0.75: DD3.1@46.5,15.77 47.9,17.17 v1(47.9,17.2)
NetDD5_1: DD5.1 R6.2 | length 7.1
  Bottom Layer w0.4: DD5.1@26.46,13.128 26.46,13.478 27.582,14.6 31.675,14.6 32.375,15.3 R6.2@32.5,15.3
NetDD5_4: DD5.4 R21.2 VT2.3 | length 31.1
  Top Layer w1: 12.7,12.3 v1(14.8,12.3) 21.9,5.2 v1(33.8,5.2)
  Bottom Layer w1: VT2.3 12.172,15 12.172,13.686 12.658,13.2 13.827,13.2 14.727,12.3 v1(14.8,12.3) ; DD5.4@31.54,4.936 31.54,5.05 31.69,5.2 v1(33.8,5.2)
NetDD5_6: DD5.6 R18.2 | length 2.3
  Bottom Layer w0.75: R18.2@24.185,4.955 26.441,4.955 DD5.6@26.46,4.936
NetDPY1_1: DPY1.1 R9.2 | length 5.6
  Top Layer w0.5: R9.2@29.5,12.42 34.366,12.42 DPY1.1 DPY1.1@34.826,12.96
NetDPY1_2: DPY1.2 R10.2 | length 2.6
  Top Layer w0.5: R10.2 33,13.925 34.344,15.269 34.635,15.269 DPY1.2@34.846,15.48
NetDPY1_3: DPY1.3 R12.2 | length 2
  Top Layer w0.5: DPY1.3 35.041,17.825 R12.2@36.825,17.825
NetDPY1_4: DPY1.4 R13.2 | length 4.7
  Top Layer w0.5: DPY1.4 35.137,20.54 35.397,20.8 37.625,20.8 R13.2@38.95,19.475
NetDPY1_5: DPY1.5 R14.2 | length 1.9
  Top Layer w0.5: DPY1.5 R14.2@36.75,23.08
NetDPY1_6: DPY1.6 R15.2 | length 3.7
  Top Layer w0.5: R15.2 17.625,25.375 18.375,25.375 19.482,24.268 19.482,23.224 DPY1.6
NetDPY1_9: DPY1.9 R16.2 | length 2.1
  Top Layer w0.5: DPY1.9 19.829,15.46 20.289,15 R16.2
NetDPY1_10: DPY1.10 R17.2 | length 2
  Top Layer w0.5: DPY1.10 19.817,13.111 20.305,13.111 20.419,13.225 21.45,13.225 R17.2
NetR3_2: R3.2 VD2.1 | length 2.7
  Bottom Layer w1: VD2.1@42.5,25.338 42.5,24.516 42.85,24.166 42.85,23.9 R3.2
NetR7_2: R7.2 R8.1
S: C1.1 C2.2 DD1.5 DD1.6 DD1.7 DD1.8 L2.2 R2.1 VD3.2 | length 34.9
  Top Layer w0.75: v1(33.4,31.7) 33.4,31.841 33.775,32.216 33.775,33.575 R2.1
  Bottom Layer w0.5: v1(33.4,31.7) 33.4,31.492 33.905,30.987 DD1.5
  Bottom Layer w1: VD3.2 8,32.8 10.45,30.35 14.293,30.35 14.768,29.875 19.264,29.875 19.289,29.85 21.7,29.85 L2.2 22.8,29.85 25.211,29.85 25.236,29.875 29.405,29.875 ; C1.1@27.225,29.886 27.225,29.95 C1.1 ; C1.1@27.875,29.9 29.405,29.9 DD1.8 DD1.7 DD1.6 DD1.5@33.705,29.21
SWCLK: DD4.37 X4.1 | length 4.1
  Bottom Layer w0.3: X4.1 21.2,15.675 21.2,17.7 21.776,18.276 21.776,18.75 DD4.37
SWDIO: DD4.34 X3.1 | length 3.1
  Bottom Layer w0.3: X3.1 X3.1@23.225,15.85 ; X3.1@23.175,15.875 24.082,15.875 24.75,16.543 DD4.34
VCC: C6.1 C7.2 C8.2 C9.2 C10.2 C11.2 C12.2 C13.1 DD2.2 DD2.4 DD3.4 DD4.9 DD4.24 DD4.36 DD4.48 Designator1.1 Designator2.1 SB1.2 SB2.2 VT1.1 | length 81.4
  Top Layer w0.75: VT1.1 1.25,20.45 Designator2.1 ; v1(21.5,25.5) 21.641,25.5 21.941,25.2 23.175,25.2 C10.2@23.625,24.75 ; v1(22.525,17.45) 22.525,17.9 23.625,19 25,19 26.25,20.25 ; 23.858,24.642 24.858,24.642 26.25,23.25 ; C7.2 27.75,19 26.375,20.375 26.25,20.25 ; v1(38.95,17.575) 40.45,17.575 ; SB2.2 42.675,14.625 42.675,15.425 40.525,17.575 40.45,17.575 ; 26.25,20.25 26.25,23.25 ; 26.25,23.25 27.75,24.75 31.65,24.75 32.5,25.6 39.025,25.6 42.5,22.125 42.675,22.125 43,21.8 SB1.2 43,20.125 40.45,17.575
  Bottom Layer w0.3: v1(21.5,25.5) 21.5,25.466 22.25,24.716 DD4.48@22.25,24.25 ; v1(22.525,17.45) 23.55,17.45 23.75,17.25 DD4.36 ; v1(27.575,19.125) 27.625,19.125 28,18.75 DD4.24 ; Designator1.1 27.75,26.85 DD4.9 27.75,23.8 v1(27.725,23.775)
  Bottom Layer w0.5: VT1.1 1.409,19.429 1.409,24.309 DD2.4@1.6,24.5 ; DD2.2@7.4,24.5 16.449,24.5 17.374,25.425 21.425,25.425 v1(21.5,25.5)
  Bottom Layer w0.75: DD3.4 38.1,15.77 38.525,16.195 38.525,17.009 38.95,17.434 v1(38.95,17.575)
ZeroCross: DD3.3 DD4.18 R11.2 | length 18.9
  Bottom Layer w0.3: DD4.18 36.55,21.75 37.175,21.125 R11.2 ; DD3.3@37.15,13.88 DD3.3
  Bottom Layer w0.5: R11.2 37.418,21.007 38.368,21.007 40.275,19.1 40.275,15.025 39.03,13.78 38.35,13.78 DD3.3
pads on no net: DD2. DD3. DD4. DD4.1 DD4.2 DD4.3 DD4.4 DD4.5 DD4.6 DD4.7 DD4.10 DD4.11 DD4.13 DD4.15 DD4.17 DD4.20 DD4.26 DD4.28 DD4.30 DD4.31 DD4.33 DD4.38 DD4.39 DD4.45 DD4.46 DD5.3 DD5.5 Designator1.2 VD1. VD2. VD3. VD4.
copper on no net: | length 1.4
  Bottom Layer w0.3: 26.6,27 26.75,26.85 26.75,25.7

## Polygon pours and split planes (outlines as drawn)
GND on Bottom Layer "GND_L02_P000" (solid, pour order 0): 27.1,27 27.459,26.641 27.459,26.508 27.859,26.508 32.483,21.883 36.708,21.883 40.533,18.058 40.533,11.683 39.933,11.083 20.658,11.083 19.302,12.393 19.265,17.452 16.208,20.509 4.425,20.509 4.925,21.5 4.925,25.175 6.683,26.933 8.433,26.933 8.433,25.983 11.158,25.983 11.158,27
GND on Top Layer "GND_L01_P001" (solid, pour order 1): 40,10.75 40.447,11.175 40.447,11.225 40.56,21.94 35.48,27.02 13.348,27.02 12.637,26.316 12.637,22.775 13.337,22.075 13.425,22.02 14.802,22.02 17.5,19.222 17.5,12.4 19.15,10.75

## Other copper
Bottom Layer:
  pour cut-out: 21.338,22.455 23.262,22.459 23.262,22 21.338,22

## Silkscreen, mask and mechanical layers (free items; w line width, h text height)
Bottom Overlay:
  text "dio" at 25.496,13.813 h1.52 r90
  text "clk" at 23.496,13.559 h1.52 r90
  text "MotorController v1.0" at 50.928,1.254 h1.6
Size:
  lines w0.254: 0,2.5 ccw(c2.5,2.5) 2.5,0 52.5,0 ccw(c52.5,2.5) 55,2.5 55,33.5 ccw(c52.5,33.5) 52.5,36 2.5,36 ccw(c2.5,33.5) 0,33.5 0,13 0,2.5